# Altium PCB FPGA扩展板.PcbDoc (continued)
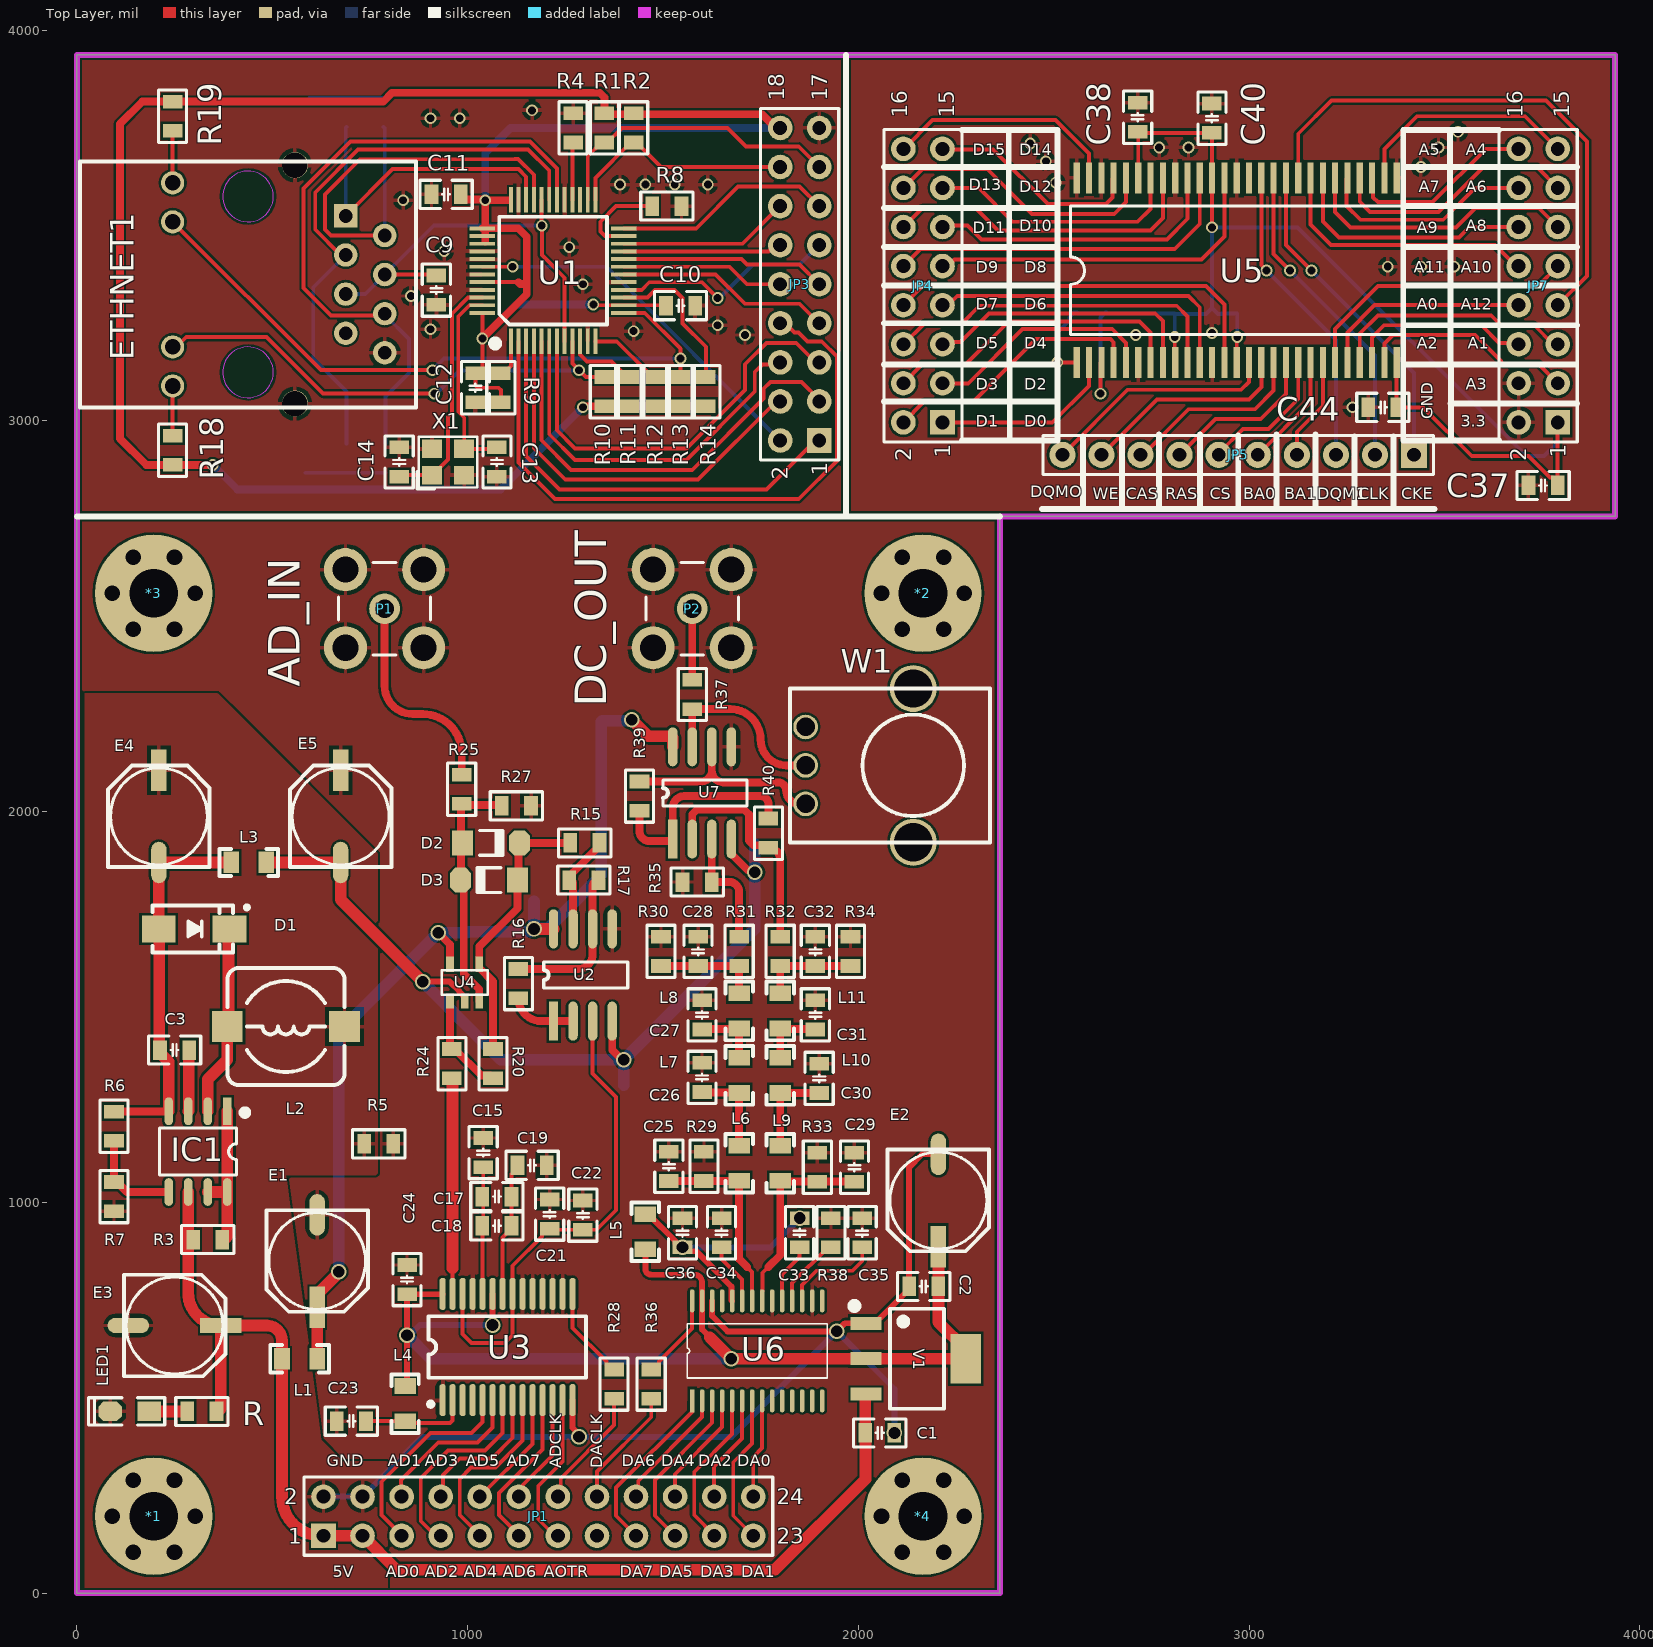
[diagram p0: Top Layer view]
## Nets (pads, with @x,y where several pads share a name; then routed paths per layer and width w, separated by ;. In a path a pad name is that pad's centre, name@x,y a point inside that pad or via, vN(x,y) a via of type N, cw(c..) or ccw(c..) an arc to the next point about the centre after c; other vN are vias at no path point)
+3V3: C33.1 C36.1 L5.2 U6.24 | length 668.4
  Top Layer w15: L5.2 1462.5,970 1532.5,900 1532.5,895 1542.5,885 v2(1550,885) 1560,875 1585,875 1675.57,784.43 1675.57,749.63 U6.24
  Bottom Layer w15: v2(1550,885) 1775.18,885 v2(1849.99,959.81)
+5: C4.2 C5.2 C6.2 E1.1 L1.2 U2.8 U4.5 U7.8 | length 2531.4
  Top Layer w20: v2@930,1685 955.2,1659.8 U4.5
  Top Layer w30: L1.2 E1.1 615,765.35 670,820.35 v2(670,822.68) v2@670,825 ; v2(1170,1700) U2.8 ; v2(1420,2235) 1462,2193 1522,2193 1525,2190 U7.8
  Bottom Layer w30: v2(670,822.68) 670,1435 v2(925,1690) C6.2@997.6,1690 ; C6.2 1159.9,1692.6 1167.29,1700 v2(1170,1700) ; C5.2 v2(1170,1700) ; v2(1420,2235) 1418.09,2233.09 1344.9,2233.09 1342.4,2230.59 C4.2 1342.4,1837.4 1206.91,1701.91 1171.91,1701.91 v2(1170,1700)
-5V: C7.2 C8.2 E5.2 L3.2 U2.4 U4.2 U7.4 | length 2304.8
  Top Layer w15: v2(885,1565) 954.33,1565 979.65,1539.68 979.65,1538.3 992.6,1525.35 U4.2
  Top Layer w20: U2.4 1370,1390 v2@1400,1360 ; U7.4 1675,1892 1717,1850 1730,1850 v2(1735,1845)
  Top Layer w30: L3.2 E5.2 675,1775 v2(885,1565)
  Bottom Layer w30: v2(885,1565) 1085,1365 v2(1400,1365) ; C7.2 v2(1400,1365) ; C8.2 v2(1735,1845) 1735,1700 v2(1400,1365)
A0: JP7.8 U5.23 | length 544.3
  Top Layer w10: U5.23 3251.97,3226.97 3321.46,3296.46 JP7.8
A1: JP7.5 U5.24 | length 630.3
  Top Layer w10: U5.24 3283.47,3223.47 3330,3270 3620,3270 3645,3245 3730,3245 3778.54,3196.46 JP7.5
A2: JP7.6 U5.25 | length 472.6
  Top Layer w10: U5.25 U5.25 3315,3214.14 3345.86,3245 3595,3245 3640,3200 3686.61,3200 JP7.6
A3: JP7.3 U5.26 | length 553.8
  Top Layer w10: U5.26 3346.46,3198.14 3368.32,3220 3578.96,3220 3645,3153.96 3645,3151.66 3650.86,3145.81 3740.81,3145.81 JP7.3
A4: JP7.15 U5.29 | length 587.3
  Top Layer w10: U5.29 3346.46,3696.46 3430,3780 3706.61,3780 JP7.15
A5: JP7.16 U5.30 | length 485
  Top Layer w10: U5.30 3317.84,3619.17 3317.84,3572.16 3330,3560 3470,3560 3606.46,3696.46 JP7.16
A6: JP7.13 U5.31 | length 648
  Top Layer w10: U5.31 3283.47,3561.53 3310,3535 3485,3535 3600,3650 3736.61,3650 JP7.13
A7: JP7.14 U5.32 | length 561.3
  Top Layer w10: U5.32 3250,3620.08 3250,3550 3285,3515 3497.18,3515 3578.64,3596.46 JP7.14
A8: JP7.11 U5.33 | length 714.4
  Top Layer w10: U5.33 3220.47,3534.53 3260,3495 3530,3495 3580,3545 3741.61,3545 JP7.11
A9: JP7.12 U5.34 | length 640.2
  Top Layer w10: U5.34 3188.98,3511.02 3230,3470 3537.18,3470 3563.64,3496.46 JP7.12
A10: JP7.9 U5.22 | length 722.5
  Top Layer w10: U5.22 3220.47,3235.47 3330.13,3345.13 3739.28,3345.13 3790.16,3396.01 JP7.9
A11: JP7.10 U5.35 | length 696.1
  Top Layer w10: U5.35 3157.48,3502.52 3210,3450 3630,3450 3683.54,3396.46 JP7.10
A12: JP7.7 U5.36 | length 1380.3
  Top Layer w10: U5.36 3125.98,3735.13 3210.86,3820 3760,3820 3865,3715 3865,3371.3 JP7.7
ACT_LED: ETHNET1.10 R13.2 U1.13 | length 1725
  Top Layer w10: ETHNET1.10 624.76,3130 v1(910,3130) ; U1.13 1453.43,3276.57 1545,3185 v1(1545,3160) R13.2
  Bottom Layer w10: v1(910,3130) 940,3160 v1(1545,3160)
AD_CLK: JP1.14 R28.2 | length 311
  Top Layer w10: JP1.14@1231.75,246.85 JP1.14 1238.35,254.09 1238.35,293.35 1375,430 R28.2
AD_D0: JP1.5 U3.5 | length 536.9
  Top Layer w10: JP1.5 831.1,148.9 780,200 780,285 905,410 1010,410 1038.39,438.39 U3.5
AD_D1: JP1.6 U3.6 | length 403.2
  Top Layer w10: JP1.6 830,247.95 830,290 925,385 1025,385 1063.98,423.98 U3.6
AD_D2: JP1.7 U3.7 | length 518.5
  Top Layer w10: JP1.7 918.15,146.85 880,185 880,295 950,365 1045,365 1089.57,409.57 U3.7
AD_D3: JP1.8 U3.8 | length 371.9
  Top Layer w10: JP1.8 936.85,252.6 936.85,301.85 980,345 1062.63,345 1115.16,397.53 U3.8
AD_D4: JP1.9 U3.9 | length 471.5
  Top Layer w10: JP1.9 1031.1,148.9 980,200 980,292.37 1008.81,321.19 1071.19,321.19 1140.75,390.75 U3.9
AD_D5: JP1.10 U3.10 | length 303.3
  Top Layer w10: JP1.10 1166.34,382.09 U3.10
AD_D6: JP1.11 U3.11 | length 414.8
  Top Layer w10: JP1.11 1131.1,148.9 1080,200 1080,255.85 1191.93,367.78 U3.11
AD_D7: JP1.12 U3.12 | length 283
  Top Layer w10: JP1.12 1141.24,256.99 1141.24,276.24 1217.52,352.52 U3.12
AD_OTR: JP1.13 U3.13 | length 398.4
  Top Layer w10: JP1.13 1223.15,146.85 1180.94,189.06 1180.94,274.06 1243.11,336.23 U3.13
ADIN: R24.2 U3.27 | length 552.5
  Top Layer w10: U3.27 961.61,831.61
  Top Layer w30: R24.2 961.61,1315.98 961.61,831.61
AGND: C4.1 C5.1 C6.1 C7.1 C8.1 C15.1 C19.2 C21.1 C22.1 C23.2 C24.1 C25.1 C26.1 C27.1 C28.1 C29.1 C30.1 C31.1 C32.1 C34.1 C35.1 C36.2 E1.2 E5.1 P1.2 P1.3 P1.4 P1.5 P2.2 P2.3 P2.4 P2.5 R5.1 R27.1 R29.1 R30.1 R33.2 R34.2 R35.2 R38.2 U2.5 U3.1 U3.16 U3.17 U3.18 U3.19 U3.20 U3.25 U6.16 U6.20 U7.5
BA0: JP5.5 U5.20 | length 292.2
  Top Layer w10: JP5.5 3157.48,3048.43 U5.20
BA1: JP5.4 U5.21 | length 263.8
  Top Layer w10: JP5.4 3122.44,2972.44 3188.98,3038.98 U5.21
CAS: JP5.8 U5.17 | length 480.3
  Top Layer w10: JP5.8 2728.39,2913.39 2845,3030 3015,3030 3062.99,3077.99 U5.17
CKE: JP5.1 U5.37 | length 844.5
  Top Layer w10: U5.37 3094.49,3450.51 v1(3160,3385)
  Bottom Layer w10: v1(3160,3385) 3422.44,3122.56 JP5.1
CLK: JP5.2 U5.38 | length 816.1
  Top Layer w10: U5.38 3062.99,3427.01 v1(3105,3385)
  Bottom Layer w10: v1(3105,3385) 3322.44,3167.56 JP5.2
CS: JP5.6 U5.19 | length 358.6
  Top Layer w10: JP5.6 2922.44,2917.44 2985,2980 3050,2980 3125.98,3055.98 U5.19
D0: JP4.1 U5.2 | length 473.2
  Top Layer w10: JP4.1 2496.46,2996.46 2590,3090 2590,3149.06 U5.2
D1: JP4.2 U5.4 | length 682
  Top Layer w10: JP4.2 2167.2,3048.3 2293.3,3048.3 2455,3210 2645,3210 2653.54,3201.46 U5.4
D2: JP4.3 U5.5 | length 591.9
  Top Layer w10: JP4.3 2281.46,3096.46 2420,3235 2650,3235 2685.04,3199.96 U5.5
D3: JP4.4 U5.7 | length 787.3
  Top Layer w10: JP4.4 2164.7,3145.8 2275.8,3145.8 2385,3255 2720,3255 2748.03,3226.97 U5.7
D3V3: C2.2 C24.2 E2.1 L4.2 L5.1 U3.23 U3.28 U6.27 V1.2 | length 2851.4
  Top Layer w15: L4.2 845,535 v2(845,660) C24.2 935.68,765 936.02,765.35 U3.28 ; U3.23 v2(1063.98,686.02) v2@1065,685 ; L5.1 1455,830 ccw(c1470,830) 1470,815 1580,815 cw(c1580,794.61) 1600.39,794.61 U6.27 1600.39,674.61 1620,655
  Top Layer w30: 1620,655 v2(1675,600) 2020,600 2275,600 2275,623.62 2205,693.62 C2.2 E2.1
  Bottom Layer w15: v2(845,660) 851.76,660 877.79,686.02 v2(1063.98,686.02)
  Bottom Layer w30: v2(845,660) 905,600 v2(1675,600)
D4: JP4.5 U5.8 | length 710.7
  Top Layer w10: JP4.5 2220.75,3201.85 2261.85,3201.85 2335,3275 2760,3275 2779.53,3255.47 U5.8
D5: JP4.6 U5.10 | length 897.3
  Top Layer w10: JP4.6 2168.9,3250 2265,3250 2310,3295 2815,3295 2842.52,3267.48 U5.10
D6: JP4.7 U5.11 | length 821.8
  Top Layer w10: JP4.7 2229.69,3296.46 2253.24,3320 2845,3320 2874.02,3290.98 U5.11
D7: JP4.8 U5.13 | length 1009.6
  Top Layer w10: JP4.8 2163.9,3345 2890,3345 2937.01,3297.99 U5.13
D8: JP4.9 U5.42 | length 903
  Top Layer w10: JP4.9 2229.69,3396.46 2246.62,3413.38 2878.38,3413.38 2937.01,3472.01 U5.42
D9: JP4.10 U5.44 | length 921.2
  Top Layer w10: JP4.10 2158.9,3440 2810,3440 2874.02,3504.02 U5.44
D10: JP4.11 U5.45 | length 769.4
  Top Layer w10: JP4.11 2218.9,3500 2280,3500 2315,3465 2790,3465 2842.52,3517.52 U5.45
D11: JP4.12 U5.47 | length 823.9
  Top Layer w10: JP4.12 2163.9,3545 2300,3545 2357.5,3487.5 2747.5,3487.5 2779.53,3519.53 U5.47
D12: JP4.13 U5.48 | length 661.2
  Top Layer w10: JP4.13 2308.54,3596.46 2395,3510 2715,3510 2748.03,3543.03 U5.48
D13: JP4.14 U5.50 | length 711.9
  Top Layer w10: JP4.14 2163.9,3645 2330,3645 2445,3530 2655,3530 2685,3560 U5.50 U5.50
D14: JP4.15 U5.51 | length 552.5
  Top Layer w10: JP4.15 2216.81,3695 2345,3695 2485,3555 2634.14,3555 2650.67,3571.53 2650.67,3619.17 U5.51
D15: JP4.16 U5.53 | length 603.5
  Top Layer w10: JP4.16 2116.46,3696.46 2190,3770 2505,3770 2590.55,3684.45 U5.53
DA_CLK: JP1.16 R36.2 | length 308.3
  Top Layer w10: JP1.16 1331.1,311.1 1470,450 R36.2
DA_D0: JP1.24 U6.8 | length 254.7
  Top Layer w10: JP1.24 1731.1,348.63 1753.94,371.46 U6.8
DA_D1: JP1.23 U6.7 | length 386.5
  Top Layer w10: U6.7 1728.35,383.35 1680,335 1680,197.95 JP1.23
DA_D2: JP1.22 U6.6 | length 275
  Top Layer w10: JP1.22 1631.1,324.22 1702.76,395.87 U6.6
DA_D3: JP1.21 U6.5 | length 406.7
  Top Layer w10: JP1.21 1631.1,148.9 1580,200 1580,310 1677.17,407.17 U6.5
DA_D4: JP1.20 U6.4 | length 295.2
  Top Layer w10: JP1.20 1531.1,304.19 1651.57,424.66 U6.4
DA_D5: JP1.19 U6.3 | length 426.9
  Top Layer w10: JP1.19 1480,197.95 1480,290 1625.98,435.98 U6.3
DA_D6: JP1.18 U6.2 | length 315.4
  Top Layer w10: JP1.18 1436.85,252.6 1436.85,286.85 1600.39,450.39 U6.2
DA_D7: JP1.17 U6.1 | length 447.1
  Top Layer w10: JP1.17 1380,197.95 1380,270 1573.9,463.9 1573.9,491.22 U6.1
DQM0: JP5.10 U5.15 | length 604.5
  Top Layer w10: JP5.10 2689.06,3080 2980,3080 3000,3100 U5.15
DQM1: JP5.3 U5.39 | length 787.8
  Top Layer w10: U5.39 3031.5,3398.5 v1(3045,3385)
  Bottom Layer w10: v1(3045,3385) 3222.44,3207.56 JP5.3
ETHGND: C9.1 C10.1 C11.1 C12.1 C13.2 C14.2 C16.2 C20.2 ETHNET1.8 ETHNET1.13 ETHNET1.14 JP3.17 R4.2 R8.1 U1.11 U1.17 U1.29 U1.35 U1.40 U1.41 U1.43 U1.45 X1.2 X1.4
  other v1: 1710,3220 1425,3230 905,3235 1640,3245 855,3320 1295,3350 940,3435 1260,3445 835,3565 1390,3605 1455,3605 1530,3605 1615,3605 905,3775 980,3775 1165,3795
ETHVCC3.3: C10.2 C11.2 C12.2 JP3.18 R1.2 R2.2 R9.1 R10.1 R11.1 R12.1 R13.1 R14.1 R18.2 R19.2 U1.14 U1.36 U1.37 U1.38 U1.39 U1.44 U1.48 | length 6725
  Top Layer w10: U1.48 v1(1037.8,3211) 1037.8,3134.9 1025.3,3122.4 C12.2 1020,3090.86 1025.86,3085 1079.15,3085 1085,3079.14 R9.1 ; U1.44 1130,3355.31 ; v1@1320,3300 1323.74,3296.26 U1.14 1506.34,3296.26 C10.2
  Top Layer w20: v1(347.6,2887.6) R18.2 177.4,2887.6 110,2955 110,3760 167.4,3817.4 R19.2 784.09,3817.4 806.7,3840 1338.29,3840 1350,3828.28 R1.2 1352.4,3785 1753.37,3785 1788.37,3750 JP3.18 ; C11.2 982.4,3574.41 989.9,3566.91 1043.09,3566.91 v1(1045,3565) ; v1(1037.8,3211) 1151.33,3324.53 1151.33,3350.59 ; U1.37 U1.37@1045,3493.11 ; 1045,3458.74 U1.37@1045,3493.11 ; U1.36@1105.63,3565 v1(1045,3565) ; 1130,3355.31 1134.73,3350.59 1151.33,3350.59 ; v1(1295,3035) 1297.6,3037.6 R10.1 R11.1 R12.1 R13.1 R14.1 ; U1.37@1045,3493.11 1129.54,3493.11 1151.33,3471.33 1151.33,3350.59 ; U1.37@1045,3493.11 v1(1045,3565)
  Bottom Layer w20: v1(347.6,2887.6) 410.2,2825 1085,2825 v1(1295,3035) ; v1(1037.8,3211) 1124.93,3298.13 v1(1321.87,3298.13) ; v1(1045,3565) 1045,3685 1110,3750 JP3.18
GND: C1.1 C2.1 E2.2 E3.2 E4.1 JP1.2 JP1.4 L2.1 LED1.2 R5.2 R7.1 U3.14 U6.26 V1.1 | length 2916.1
  Top Layer w15: U3.14 1268.7,423.06 1285,406.76 v2(1285,400) ; U6.26 1625.98,709.02 1665,670 v2(1945,670) 1965.55,690.55 V1.1 2042.64,690.55 2119.59,767.5 2120.2,767.5 2130.2,777.5 C2.1 2130.2,1090.2 2163.11,1123.11 E2.2
  Bottom Layer w15: JP1.2 JP1.4 884.25,400 v2(1285,400) 1675,400 v2(1945,670) 2092.4,522.6 v2(2092.4,410)
LINE_LED: ETHNET1.11 R10.2 U1.9 | length 1288.5
  Top Layer w10: ETHNET1.11 254.61,3189.61 280,3215 485,3215 630,3070 v1(915,3070) ; U1.9 1268.11,3146.89 v1(1285.36,3129.64) 1302.6,3112.4 R10.2
  Bottom Layer w10: v1(915,3070) 920,3070 979.64,3129.64 v1(1285.36,3129.64)
MDC: JP3.16 R2.1 U1.25 | length 592.5
  Top Layer w10: U1.25 1327.17,3622.26 1417.5,3712.6 R2.1 1432.5,3712.6 1495.1,3650 JP3.16
MDIO: JP3.15 R1.1 U1.26 | length 775.6
  Top Layer w10: U1.26 1307.48,3677.57 1342.5,3712.6 R1.1 1357.5,3712.6 1394.91,3750 1665,3750 1712.5,3702.5 1847.5,3702.5 JP3.15
NBEF3: R15.2 R17.1 U2.7 | length 257.6
  Top Layer w20: U2.7 1270,1815.2 ccw(c1260.2,1815.2) R17.1 1267.7,1832.5 1267.7,1842.8 1337.4,1912.5 R15.2
NetC3_1: C3.1 D1.1 E4.2 IC1.4 L3.1 R6.1 | length 973
  Top Layer w20: R6.1 234.24,1232.4 235,1233.17 IC1.4
  Top Layer w30: IC1.4 235,1360.09 212.6,1382.5 C3.1 211.02,1391.57 211.02,1698.43 D1.1 209.72,1700.28 209.72,1869.72 E4.2 L3.1
NetC3_2: C3.2 IC1.3 | length 157.6
  Top Layer w30: IC1.3 286.2,1234.55 286.2,1388.8 C3.2
NetC13_1: C13.1 U1.47 X1.3 | length 504.6
  Top Layer w10: U1.47 1004.42,3296.26 976,3267.84 976,3023.54 991.34,3008.2 X1.3 1071.06,2928.46 C13.1
NetC14_1: C14.1 U1.46 X1.1 | length 615.6
  Top Layer w10: C14.1 828.94,2861.54 X1.1 910.63,2861.54 950,2900.91 950,3010 960,3020 960,3274.46 1001.48,3315.94 U1.46
NetC15_2: C15.2 C17.2 C18.2 U3.24 | length 325.6
  Top Layer w10: U3.24 1038.39,939.22 C18.2 1040,942.4 C15.2
NetC16_1: C16.1 R21.1 R22.1 | length 190
  Bottom Layer w10: C16.1 R21.1 R22.1
NetC17_1: C17.1 C18.1 C19.1 U3.22 | length 345
  Top Layer w10: U3.22 1089.57,909.67 1112.4,932.5 C18.1 C17.1 1112.4,1072.31 1127.6,1087.5 C19.1
NetC20_1: C20.1 R23.1 R26.1 | length 205
  Bottom Layer w10: C20.1 R23.1 R26.1
NetC23_1: C23.1 L4.1 U3.2 | length 278.9
  Top Layer w10: C23.1 L4.1 845,435 955,435 961.61,441.61 U3.2
NetC25_2: C25.2 L6.1 R29.2 U6.22 | length 500.8
  Top Layer w10: 1715,835 1728.35,821.65 U6.22
  Top Layer w20: C25.2 R29.2 L6.1 1695,855 1715,835
NetC26_2: C26.2 L6.2 L7.1 | length 231.1
  Top Layer w20: C26.2 1601.3,1281.3 1693.7,1281.3 L7.1 L6.2
NetC27_2: C27.2 L7.2 L8.1 | length 171
  Top Layer w20: C27.2 1601.2,1443.8 1693.8,1443.8 L8.1 L7.2
NetC28_2: C28.2 L8.2 R30.2 R31.1 | length 270
  Top Layer w20: R30.2 C28.2 R31.1 L8.2
NetC29_2: C29.2 L9.2 R33.1 U6.21 | length 517
  Top Layer w10: U6.21 1753.94,772.14 1755,773.21 1755,820 1770,835
  Top Layer w20: 1770,835 1800,865 L9.2 1801.2,1053.8 1988.8,1053.8 C29.2
NetC30_2: C30.2 L9.1 L10.2 | length 235
  Top Layer w20: L9.1 L10.2 C30.2
NetC31_2: C31.2 L10.1 L11.2 | length 166
  Top Layer w20: L10.1 L11.2 1801.2,1443.8 1888.8,1443.8 C31.2
NetC32_2: C32.2 L11.1 R32.1 R34.1 | length 250
  Top Layer w20: L11.1 R32.1 C32.2 R34.1
NetC33_2: C33.2 U6.19 | length 155.6
  Top Layer w10: U6.19 1805.12,815.12 1850,860 C33.2
NetC34_2: C34.2 U6.23 | length 158.8
  Top Layer w10: C34.2 1649.99,855.01 1702.76,802.24 U6.23
NetC35_2: C35.2 U6.17 | length 254.7
  Top Layer w10: U6.17 1856.3,788.67 1892.63,825 1985,825 2010,850 C35.2
NetD1_2: D1.2 IC1.2 L2.2 | length 489.7
  Top Layer w30: IC1.2 335,1315 385,1365 L2.2 387.78,1452.78 387.78,1697.22 D1.2
NetD2_1: D2.1 D3.2 R25.2 R27.2 U4.3 | length 630.3
  Top Layer w20: U4.3 1029.84,1515.67 1029.84,1545.16 990,1585 990,1816.97 D3.2 983.48,1826.52 983.48,2018.48 R25.2 987.5,2017.5 1085.1,2017.5 R27.2
NetD2_2: D2.2 D3.1 R15.1 R20.1 U4.4 | length 714.3
  Top Layer w20: R20.1 1065,1565.48 1030,1600.47 U4.4 1030,1655 1128.03,1753.03 D3.1 1130.53,1827.5 1130.53,1917.5 D2.2 R15.1
NetETHNET1_9: ETHNET1.9 R19.1 | length 133.2
  Top Layer w10: R19.1 245.16,3742.44 ETHNET1.9
NetETHNET1_12: ETHNET1.12 R18.1 | length 127.4
  Top Layer w10: R18.1 245.16,2962.57 ETHNET1.12
NetIC1_1: IC1.1 IC1.7 IC1.8 R3.2 | length 385.5
  Top Layer w30: IC1.7 IC1.8 ; R3.2 ccw(c372.4,917.6) 385,917.6 IC1.8 ; IC1.1 IC1.8
NetIC1_5: IC1.5 R6.2 R7.2 | length 255.9
  Top Layer w20: R6.2 R7.2 102.5,1052.4 128.25,1026.65 IC1.5
NetLED1_1: LED1.1 R.1 | length 97.6
  Top Layer w30: LED1.1 R.1
NetP1_1: P1.1 R25.1 | length 548.4
  Top Layer w20: P1.1 787.4,2322.6 ccw(c860,2322.6) 860,2250 885,2250 cw(c885,2150) 985,2150 R25.1
NetP2_1: P2.1 R37.1 | length 182.5
  Top Layer w20: P2.1 1574.8,2337.4 R37.1
NetR4_1: R4.1 U1.28 | length 147.9
  Top Layer w10: R4.1@1265,3712.6 1268.11,3709.49 U1.28
NetR8_2: R8.2 U1.23 | length 239
  Top Layer w10: U1.23 1351.57,3473.43 1340,3485 1340,3510 1380,3550 R8.2
NetR9_2: R9.2 U1.1 | length 96.4
  Top Layer w10: R9.2 1092.5,3122.4 1110.63,3140.53 U1.1
NetR11_2: R11.2 U1.10 | length 184.9
  Top Layer w10: U1.10 1287.8,3170.37 1305.75,3152.41 1368.05,3152.41 1395,3125.45 1395,3124.9 1407.5,3112.4 R11.2
NetR12_2: R12.2 U1.12 | length 191
  Top Layer w10: U1.12 1381.72,3203.74 1460,3125.45 1460,3124.9 1472.5,3112.4 R12.2
NetR14_2: R14.2 U1.15 | length 393.6
  Top Layer w10: U1.15 1460,3315.94 1479.06,3335 1530,3335 1550,3315 1550,3250 1610,3190 R14.2
NetR16_1: R16.1 R17.2 U2.6 | length 410
  Top Layer w20: R16.1 1282.4,1597.4 ccw(c1282.4,1635) 1320,1635 U2.6 1320,1810 cw(c1335,1810) R17.2
NetR16_2: R16.2 U2.1 U2.2 | length 173.5
  Top Layer w20: R16.2 ccw(c1188.6,1522.6) 1188.6,1464 U2.1 U2.2
NetR20_2: R20.2 R24.1 U4.1 | length 261.1
  Top Layer w20: U4.1 955.35,1515.35 955.35,1397.05 R24.1 967.5,1392.4 1034.8,1325.1 1057.5,1325.1 R20.2
NetR28_1: R28.1 U3.15 | length 241.8
  Top Layer w10: U3.15 1268.7,678.7 1355,592.4 1355,584.9 1367.5,572.4 R28.1
NetR36_1: R36.1 U6.28 | length 223.4
  Top Layer w10: R36.1 1477.5,572.4 1490,584.9 1490,592.4 1574.8,677.21 U6.28
NetR37_2: R37.2 U7.7 W1.2 | length 468.9
  Top Layer w20: U7.7 R37.2 1672.4,2262.6 cw(c1672.4,2185) 1750,2185 ccw(c1816.57,2185) 1816.57,2118.43 W1.2
NetR38_1: R38.1 U6.18 | length 182.5
  Top Layer w10: U6.18 1830.71,793.21 1922.5,885 R38.1
NetR39_1: R39.1 U7.6 W1.3 | length 550.3
  Top Layer w20: R39.1 1597.4,2077.4 ccw(c1597.4,2105) 1625,2105 ; U7.6 1625,2105 ; W1.3 1850,2020 cw(c1850,2055) 1815,2055 ccw(c1795,2055) 1795,2075 1655,2075 cw(c1655,2105) 1625,2105
NetR39_2: R39.2 R40.1 U7.1 | length 545.9
  Top Layer w20: R39.2 1440,1950 ccw(c1465,1950) 1465,1925 1520,1925 ccw(c1520,1930) U7.1 1525,2010 cw(c1555,2010) 1555,2040 1750,2040 cw(c1750,2020) 1770,2020 R40.1
OUT1: R31.2 R35.1 U7.3 | length 309.5
  Top Layer w20: U7.3 R35.1 1670,1820 cw(c1670,1795) 1695,1795 R31.2
OUT2: R32.2 R40.2 U7.2 | length 587.8
  Top Layer w20: U7.2 1575,1993.28 1586.72,2005 1708.28,2005 1720,1993.28 1720,1925.96 1731.72,1914.25 1763.35,1914.25 R40.2 cw(c1770,1877.6) 1800,1877.6 R32.2
RAS: JP5.7 U5.18 | length 416.8
  Top Layer w10: JP5.7 2914.06,3005 3030,3005 3094.49,3069.49 U5.18
REGOUT: C9.2 ETHNET1.4 ETHNET1.5 U1.8 U1.32 | length 1116.2
  Top Layer w10: ETHNET1.5@680.95,3331.93 ETHNET1.5 ETHNET1.5@696.6,3333.33 ; ETHNET1.4 917.6,3374.8 C9.2 ; U1.32 1189.37,3500.63 v1(1190,3500) 1190,3425 1248.43,3366.57 U1.8
  Bottom Layer w10: ETHNET1.5 738.07,3324.8 ETHNET1.4 913.27,3500 v1(1190,3500)
RESET: JP3.2 U1.42 | length 946.4
  Top Layer w10: U1.42 v1(1115.32,3394.69)
  Bottom Layer w10: v1(1115.32,3394.69) 1355.31,3394.69 JP3.2
RXC: JP3.11 U1.16 | length 580.5
  Top Layer w10: U1.16 1445.63,3335.63 1465,3355 1600,3355 v1(1640,3315)
  Bottom Layer w10: v1(1640,3315) 1645,3315 1730,3400 1850,3400 JP3.11
RXD0: JP3.12 U1.21 | length 406.6
  Top Layer w10: U1.21 1769.72,3434.06 1785.66,3450 JP3.12
RXD1: JP3.9 U1.20 | length 526.7
  Top Layer w10: U1.20 1700.63,3414.37 1715,3400 1850,3400 JP3.9
RXD2: JP3.10 U1.19 | length 418.5
  Top Layer w10: U1.19 1670.31,3394.69 1715,3350 JP3.10
RXD3: JP3.7 U1.18 | length 551.8
  Top Layer w10: U1.18 1635,3375 1710,3300 1850,3300 JP3.7
RXDV: JP3.14 U1.22 | length 439.9
  Top Layer w10: U1.22 1703.74,3453.74 JP3.14
RXEN: JP3.13 U1.24 | length 565
  Top Layer w10: U1.24 1585.31,3493.11 1692.19,3600 1850,3600 JP3.13
SDGND: C37.1 C38.1 C39.1 C40.1 C41.1 C42.1 C43.1 C44.1 JP7.2 JP7.4 U5.6 U5.12 U5.28 U5.41 U5.46 U5.52 U5.54
  other v1: 3265,3035 2710,3220 2905,3225 3355,3395 3440,3395 3525,3395 2505,3610 3440,3650 2480,3665 2770,3700 2845,3700 3485,3700 2440,3710 3535,3740
SDVCC3.3: C37.2 C38.2 C39.2 C40.2 C41.2 C42.2 C43.2 C44.2 JP7.1 U5.1 U5.3 U5.9 U5.14 U5.27 U5.43 U5.49 | length 3891.1
  Top Layer w10: v1(2509.45,3150) 2558.66,3150 U5.1 ; v1(2620,3070) 2620,3147.56 U5.3 ; C38.2 C38.2@2716.54,3738.46 ; U5.49 C38.2@2716.54,3738.46 ; v1(2810,3215) 2810,3150.63 U5.9 ; v1@2905,3495 v1(2905.51,3495.51) U5.43 2905.51,3737.09 C40.2 2717.39,3737.6 C38.2@2716.54,3738.46 ; U5.14 2968.5,3213.5 v1(2970,3215) ; U5.27 3377.95,3037.05 C44.2 3445,3035 3570,2910 3715,2910 3770,2855 3777.5,2855 C37.2@3790,2842.5 ; C37.2 C37.2@3790,2842.5 ; JP7.1 3790,2996.3 C37.2@3790,2842.5
  Bottom Layer w10: v1(2509.45,3150) 2509.45,3227.05 2540,3257.6 2540,3265.1 2552.5,3277.6 C39.2 2562.6,3275 C43.2@2629.9,3275 ; v1(2620,3070) 2620,3265.1 C43.2@2629.9,3275 ; C43.2 2632.5,3277.6 C43.2@2629.9,3275 ; v1(2810,3215) C41.2 ; v1(2970,3215) C42.2 2930,3275 2929.14,3274.14 2920.86,3274.14 2905.51,3289.49 ; JP7.1 3790.16,2945.16 3755,2910 3710,2910 3124.49,3495.51 v1(2905.51,3495.51) 2905.51,3289.49 ; C43.2@2629.9,3275 C41.2 ; C41.2 2811.02,3273.98 2890,3273.98 2905.51,3289.49
TPRX_N: ETHNET1.6 R26.2 U1.30 | length 1684.2
  Top Layer w10: ETHNET1.6 783.27,3270 650,3270 580,3340 580,3595 700,3715 1160,3715 1228.74,3646.26 U1.30
  Bottom Layer w10: ETHNET1.6 788.07,3271.93 850,3210 850,3122.45 790,3062.45 R26.2
TPRX_P: ETHNET1.3 R23.2 U1.31 | length 1494.1
  Top Layer w10: ETHNET1.3 675.2,3424.8 610,3490 610,3585 720,3695 1155,3695 1209.06,3640.94 U1.31
  Bottom Layer w10: ETHNET1.3 605,3341.73 605,3160 690,3075 R23.2
TPTX_N: ETHNET1.2 R22.2 U1.33 | length 1188.7
  Top Layer w10: ETHNET1.2@783.27,3470 ETHNET1.2 650.2,3474.8 635,3490 635,3580 725,3670 1120,3670 1120.86,3670.86 1129.14,3670.86 1169.69,3630.31 U1.33
  Bottom Layer w10: R22.2 788.07,3749.53 ETHNET1.2
TPTX_P: ETHNET1.1 R21.2 U1.34 | length 807.7
  Top Layer w10: ETHNET1.1 808.27,3645 1130,3645 1150,3625 U1.34
  Bottom Layer w10: ETHNET1.1 688.07,3750.67 R21.2
TXC: JP3.5 U1.7 | length 1089
  Top Layer w10: U1.7 1228.74,2976.26 1275.23,2929.77 1560.23,2929.77 1710.23,3079.77 1710.23,3145.23 1765,3200 1841.1,3200 1891.1,3150 JP3.5
TXD0: JP3.6 U1.6 | length 990.3
  Top Layer w10: U1.6 1209.06,2965.94 1275,2900 1560,2900 1735,3075 1735,3125 1755,3145 1797.37,3145 1800,3147.63 JP3.6
TXD1: JP3.3 U1.5 | length 1126.5
  Top Layer w10: U1.5 1189.37,2950.63 1265,2875 1575,2875 1757.5,3057.5 1757.5,3082.5 1775,3100 1855,3100 1900,3055 JP3.3
TXD2: JP3.4 U1.4 | length 1009.9
  Top Layer w10: U1.4 1169.68,2930.32 1250,2850 1590,2850 JP3.4@1790,3050
TXD3: JP3.1 U1.3 | length 1120.7
  Top Layer w10: U1.3 1150,2910 1235,2825 1765,2825 JP3.1@1890,2950
TXEN: JP3.8 U1.2 | length 1651.7
  Top Layer w10: U1.2 1130.31,2893.69 1224,2800 1847.5,2800 1945,2897.5 1945,3165.1 1906.37,3203.73 1870,3203.73 1846.87,3226.87 1836.87,3226.87 1813.73,3250 JP3.8
VBEF2: C21.2 C22.2 U2.3 U3.21 U3.26 | length 1265.5
  Top Layer w10: U3.26 987.2,662.8 1010,640 1095,640 1115,660 1115,765.59 U3.21 1115.16,837.76 1190,912.6 1190,920.1 1202.5,932.6 C21.2 1212.6,930 C22.2 1330,930 1380,980 1380,1270 1320,1330 U2.3
VCC: C1.2 E3.1 IC1.6 JP1.1 JP1.3 L1.1 R3.1 R.2 V1.3 | length 3095.2
  Top Layer w30: IC1.6 285,768.11 ccw(c368.11,768.11) E3.1 ; R.2 ccw(c357.4,475.71) 368.11,475.71 E3.1 ; V1.3 2019.33,509.45 2017.6,507.72 C1.2 2018.34,409.27 2018.34,291.66 1786.67,60 817.95,60 JP1.3 JP1.1 625,146.85 cw(c625,246.85) 525,246.85 L1.1 525,645.65 ccw(c485.65,645.65) 485.65,685 E3.1
WE: JP5.9 U5.16 | length 543.9
  Top Layer w10: JP5.9 2764.06,3055 3000,3055 3031.5,3086.5 U5.16
pads on no net: *1.1 *2.1 *3.1 *4.1 ETHNET1.7 JP1.15 U1.27 U3.3 U3.4 U5.40 U6.9 U6.10 U6.11 U6.12 U6.13 U6.14 U6.15 U6.25 W1.0 W1.1

## Polygon pours and split planes (outlines as drawn)
AGND on Bottom Layer "NONET_L01_P-001" (solid, remove dead copper, pour order 6): 0,2755.91 0,0 2362.2,0 2362.2,2755.91
SDGND on Bottom Layer "NONET_L01_P-001" (solid, remove dead copper, pour order 2): 1968.5,3937.01 1968.5,2755.91 3939.09,2755.91 3937.01,2757.99 3937.01,3937.01
ETHGND on Bottom Layer "NONET_L01_P-001" (solid, remove dead copper, pour order 0): 0,3937.01 0,2755.91 1968.5,2755.91 1968.5,3937.01
AGND on Top Layer "NONET_L01_P-001" (solid, remove dead copper, pour order 7): 0,2755.91 0,0 2362.2,0 2362.2,2755.91
GND on Top Layer "NONET_L01_P-001" (solid, remove dead copper, pour order 5): 795.68,337.93 795.68,12.93 20.68,12.93 20.68,2302.93 360.68,2302.93 770,1893.61 770,1070 535.13,1070 625.84,392.78 680.68,337.93
no net on Top Layer "NONET_L01_P-001" (solid, pour order 4): 775,325
SDGND on Top Layer "NONET_L01_P-001" (solid, remove dead copper, pour order 3): 1968.5,3937.01 1968.5,2755.91 1969.41,2755 3940,2755 3940,3934.02 3937.01,3937.01
ETHGND on Top Layer "NONET_L01_P-001" (solid, remove dead copper, pour order 1): 0,3937.01 0,2755.91 1968.5,2755.91 1968.5,3937.01

## Keep-outs
Keep-Out Layer:
  the board outline again, w15

## Silkscreen, mask and mechanical layers (free items; w line width, h text height)
Top Overlay:
  lines w15: 0,2755.91 1968.5,2755.91 ; 1968.5,3937.01 1968.5,2755.91 ; 2065,3050 2510,3050 ; 2065,3145 2505,3145 ; 2065,3250 2510,3250 ; 2065,3445 2510,3445 ; 2065,3545 2505,3545 ; 2065,3650 2510,3650 ; 2065.35,3346.46 2508.96,3346.46 ; 2265,2950 2510,2950 2510,3745 2265,3745 ; 2362.2,2755.91 1968.5,2755.91 ; 2385,3745 2387.5,2950 ; 2470,2775 3475,2775 ; 2575,2775 2575,2960 ; 2675,2775 2675,2960 ; 2770,2775 2770,2965 ; 2875,2775 2875,2965 ; 2972.44,2775.06 2972.44,2963.39 ; 3070,2775 3070,2965 ; 3170,2775 3170,2965 ; 3270,2775 3270,2960 ; 3370,2780 3370,2960 ; 3394.65,3145 3834.65,3145 ; 3394.65,3245 3839.65,3245 ; 3394.65,3445 3839.65,3445 ; 3394.65,3550 3834.65,3550 ; 3394.65,3650 3839.65,3650 ; 3395,3346.46 3838.6,3346.46 ; 3514.65,3745 3517.15,2950 ; 3515,3045 3839.65,3045 ; 3639.65,2950 3394.65,2950 3394.65,3745 3639.65,3745
  text "D15" at 2292.51,3680.01 h30
  text "D14" at 2412.51,3680.01 h30
  text "A5" at 3434.65,3680.01 h30
  text "A4" at 3554.65,3680.01 h30
  text "D13" at 2282.51,3590.01 h30
  text "D12" at 2412.51,3585.01 h30
  text "A7" at 3435.01,3585.01 h30
  text "A6" at 3554.65,3585.01 h30
  text "D10" at 2412.51,3485.01 h30
  text "A8" at 3554.65,3485.01 h30
  text "D11" at 2292.51,3480.01 h30
  text "A9" at 3429.65,3480.01 h30
  text "D9" at 2300.01,3380.01 h30
  text "D8" at 2425.01,3380.01 h30
  text "A11" at 3422.16,3380.01 h30
  text "A10" at 3542.16,3380.01 h30
  text "D7" at 2300.01,3285.01 h30
  text "D6" at 2425.01,3285.01 h30
  text "A0" at 3429.65,3285.01 h30
  text "A12" at 3542.16,3285.01 h30
  text "D5" at 2300.01,3185.01 h30
  text "D4" at 2425.01,3185.01 h30
  text "A2" at 3429.65,3185.01 h30
  text "A1" at 3559.65,3185.01 h30
  text "D3" at 2300.01,3080.01 h30
  text "D2" at 2425.01,3080.01 h30
  text "A3" at 3554.65,3080.01 h30
  text "GND" at 3469.99,3005.01 h30 r90
  text "D1" at 2300.01,2985.01 h30
  text "D0" at 2425.01,2985.01 h30
  text "3.3" at 3542.16,2985.01 h30
  text "DQMO" at 2440.02,2805.01 h30
  text "WE" at 2600.01,2800.01 h30
  text "CAS" at 2685.01,2800.01 h30
  text "RAS" at 2785.01,2800.01 h30
  text "CS" at 2900.01,2800.01 h30
  text "BA0" at 2985.01,2800.01 h30
  text "BA1" at 3090.01,2800.01 h30
  text "DQM1" at 3175.02,2800.01 h30
  text "CLK" at 3280.01,2800.01 h30
  text "CKE" at 3390.01,2800.01 h30
  text "AD_IN" at 569.97,2320.06 h80 r90
  text "DC_OUT" at 1354.97,2268.41 h80 r90
  text "GND" at 640.01,325.01 h30
  text "AD1" at 795.01,325.01 h30
  text "AD3" at 890.01,325.01 h30
  text "AD5" at 995.01,325.01 h30
  text "AD7" at 1100.01,325.01 h30
  text "DA6" at 1395.01,325.01 h30
  text "DA4" at 1495.01,325.01 h30
  text "DA2" at 1590.01,325.01 h30
  text "DA0" at 1690.01,325.01 h30
  text "ADCLK" at 1239.99,320.02 h30 r90
  text "DACLK" at 1344.99,320.02 h30 r90
  text "5V" at 655.01,40.01 h30
  text "AD0" at 790.01,40.01 h30
  text "AD2" at 890.01,40.01 h30
  text "AD4" at 990.01,40.01 h30
  text "AD6" at 1090.01,40.01 h30
  text "AOTR" at 1195.02,40.01 h30
  text "DA7" at 1390.01,40.01 h30
  text "DA5" at 1490.01,40.01 h30
  text "DA3" at 1595.01,40.01 h30
  text "DA1" at 1700.01,40.01 h30
Bottom Overlay:
  lines w15: 1365,2995 1750,2995 ; 1365,3100 1750,3100 ; 1365,3200 1750,3200 ; 1365,3300 1750,3300 ; 1365,3400 1750,3400 ; 1365,3500 1750,3500 ; 1365,3600 1750,3600 ; 1365,3700 1750,3700 ; 1557.5,2903.62 1557.5,3800 ; 1750,3800 1365,3800 1365,2897.76 1367.24,2900 1755,2900
  text "3.3" at 1509.98,3730.01 h40
  text "GND" at 1708.32,3730.01 h40
  text "MDC" at 1513.32,3630.01 h40
  text "MDIO" at 1729.98,3630.01 h40
  text "RXDV" at 1533.31,3530.01 h40
  text "RXEN" at 1733.31,3530.01 h40
  text "RXD0" at 1538.31,3430.01 h40
  text "RXC" at 1713.32,3430.01 h40
  text "RXD2" at 1538.31,3330.01 h40
  text "RXD1" at 1726.65,3330.01 h40
  text "TXEN" at 1538.31,3230.01 h40
  text "RXD3" at 1733.31,3230.01 h40
  text "TXD0" at 1533.31,3130.01 h40
  text "TXC" at 1713.32,3130.01 h40
  text "TXD2" at 1533.31,3030.01 h40
  text "TXD1" at 1726.65,3030.01 h40
  text "RESET" at 1534.98,2935.01 h30
  text "TXD3" at 1733.31,2925.01 h40

## Text inside footprints (layer, text, board x,y; h text height)
JP1: Top Overlay "24" at 1791.1,226.85 h40; Top Overlay "23" at 1791.1,126.85 h40; Top Overlay "2" at 531.1,226.85 h40; Top Overlay "1" at 541.1,126.85 h40
JP3: Top Overlay "17" at 1920,3820 h40 r90; Top Overlay "18" at 1810,3820 h40 r90; Top Overlay "1" at 1920,2860 h40 r90; Top Overlay "2" at 1820,2850 h40 r90
JP4: Top Overlay "2" at 2135.35,2896.46 h40 r90; Top Overlay "1" at 2235.35,2906.46 h40 r90; Top Overlay "16" at 2125.35,3776.46 h40 r90; Top Overlay "15" at 2245.35,3776.46 h40 r90
JP7: Top Overlay "2" at 3710.16,2896.46 h40 r90; Top Overlay "1" at 3810.16,2906.46 h40 r90; Top Overlay "16" at 3700.16,3776.46 h40 r90; Top Overlay "15" at 3820.16,3776.46 h40 r90